# Altium PCB HW_PROCESSOR_BOARD_R1.PcbDoc (part 1 of 2) (continued)
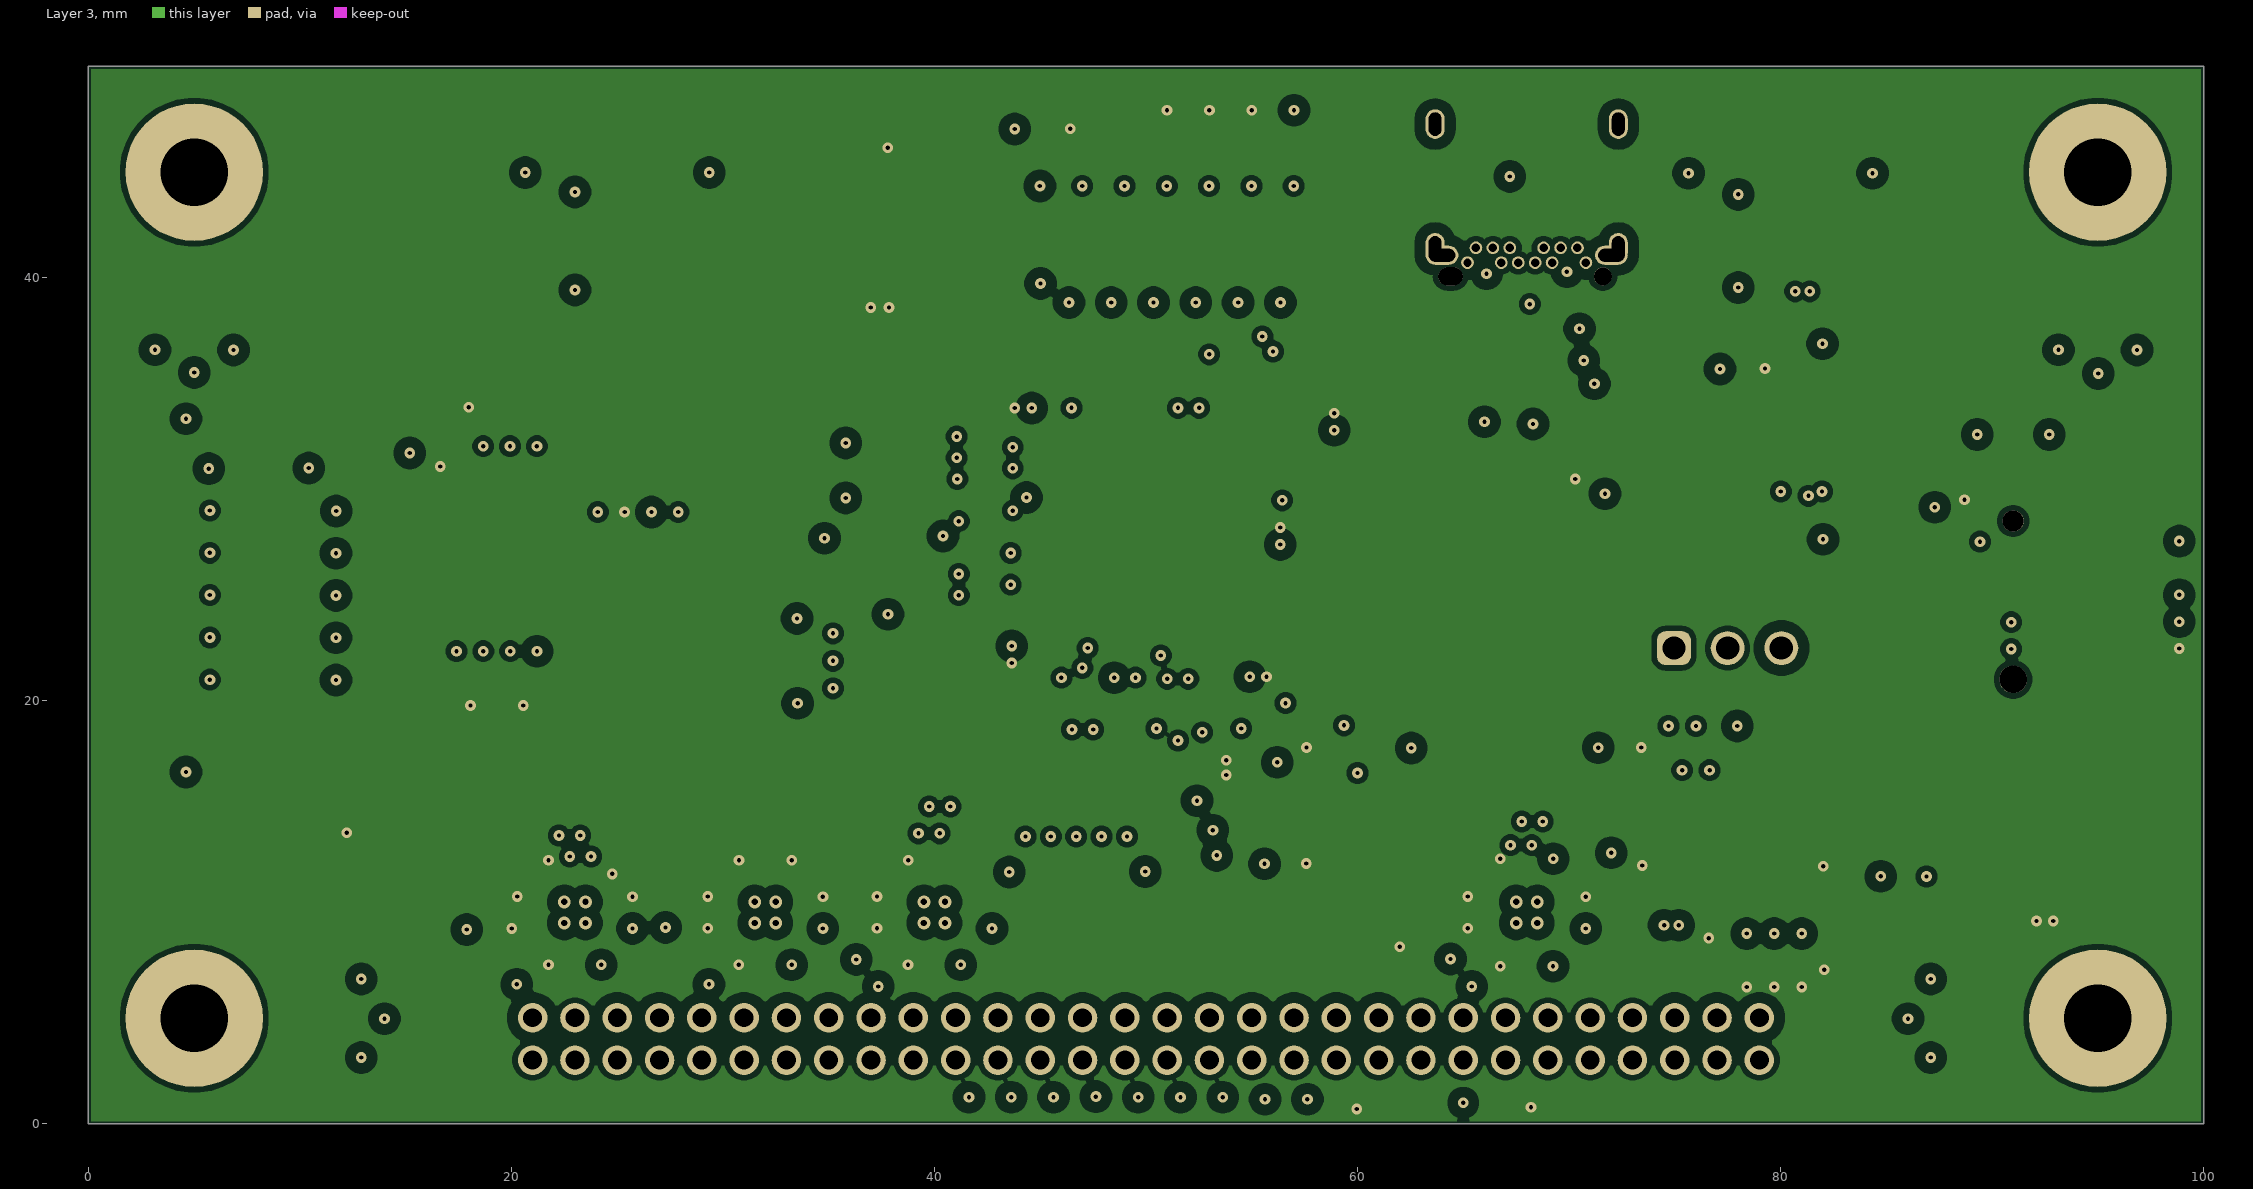
[diagram p4: Layer 3]
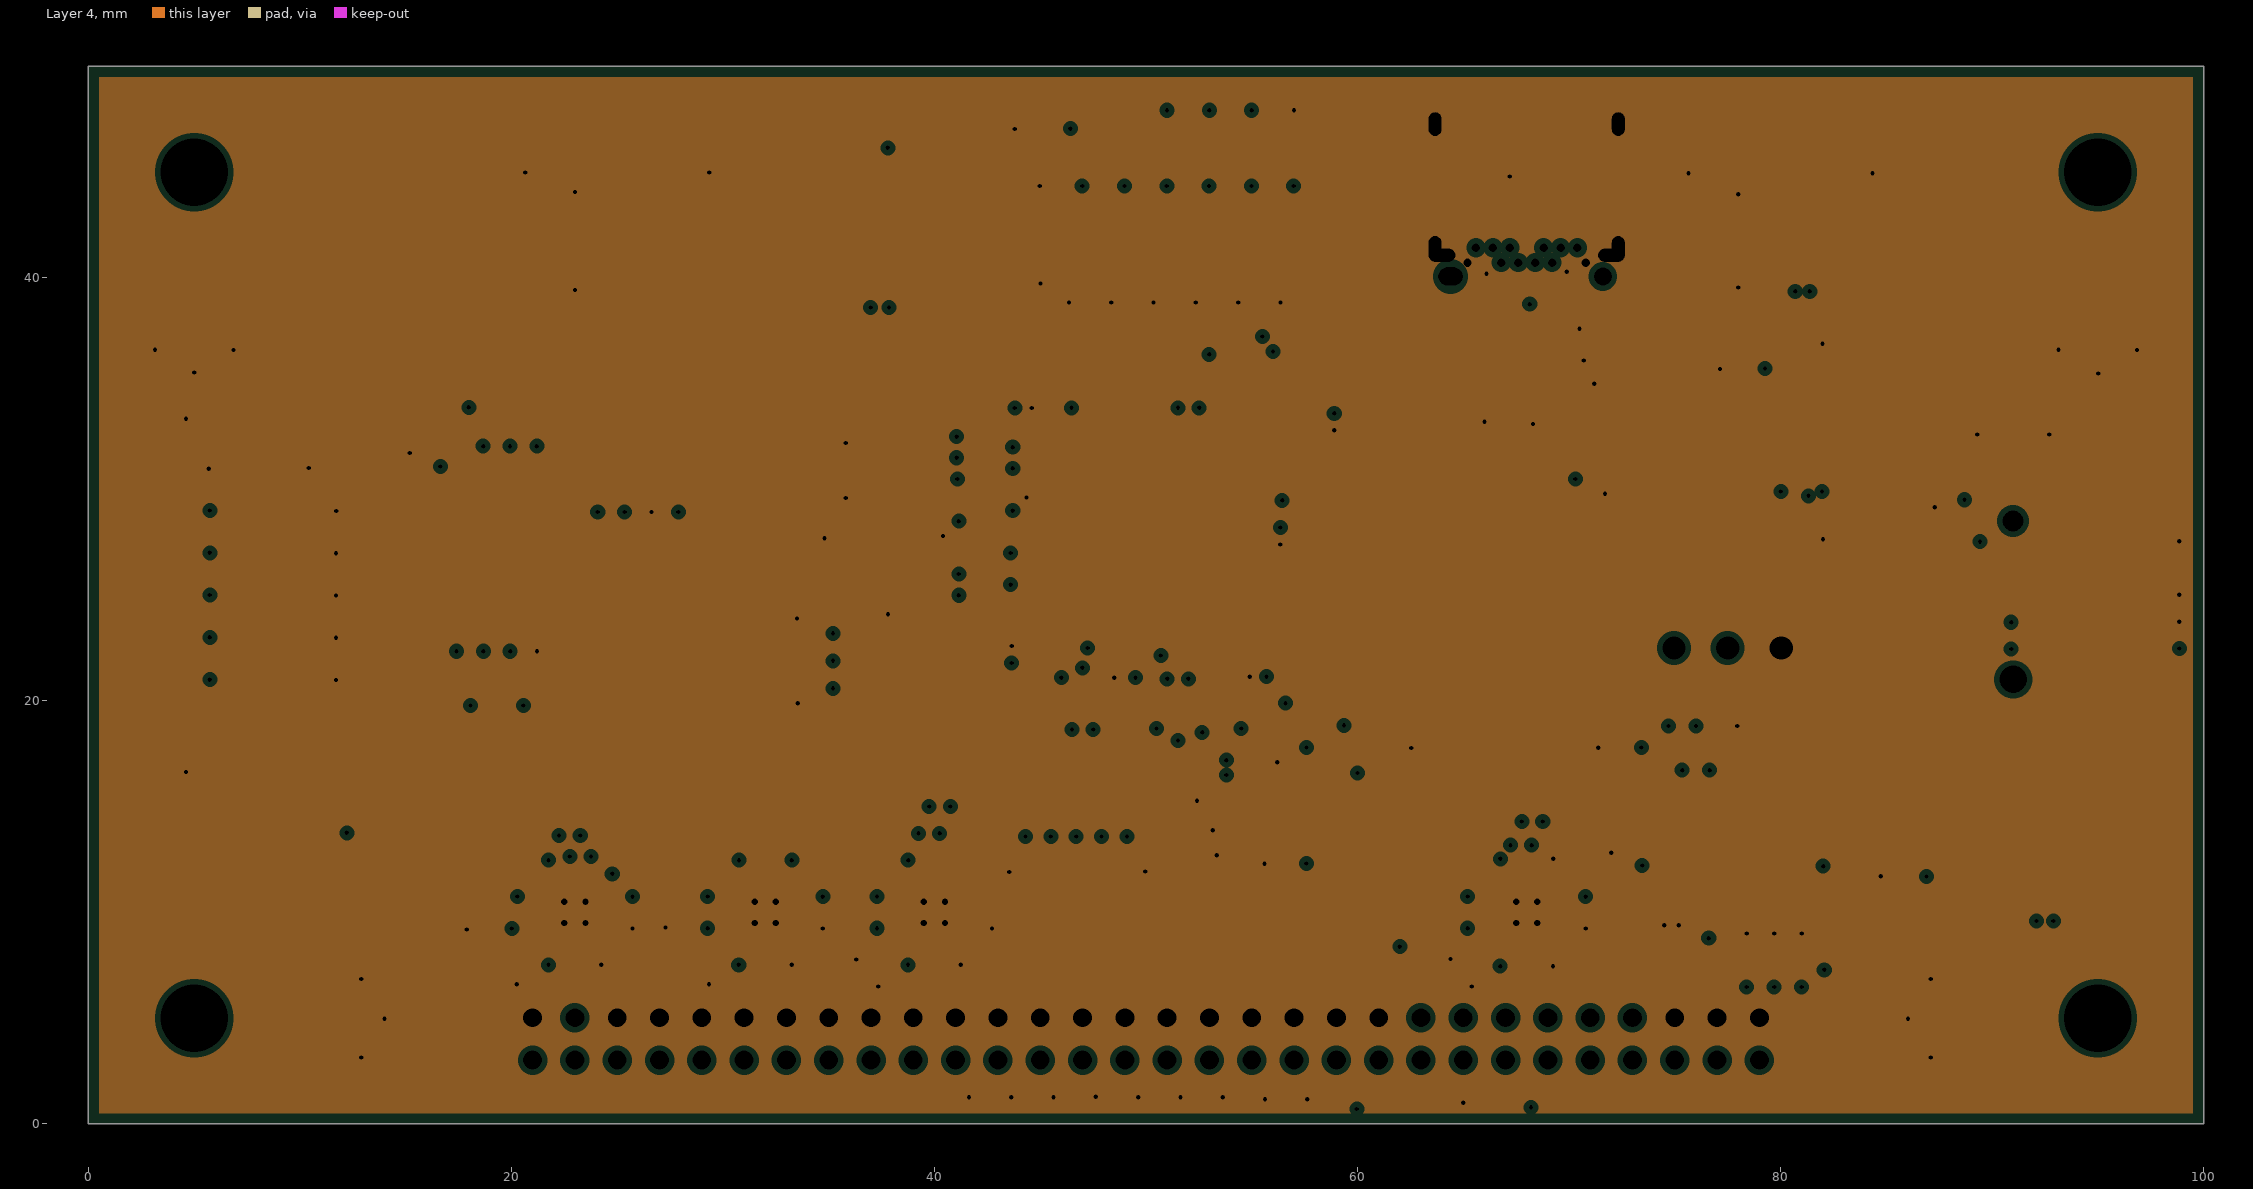
[diagram p5: Layer 4, clearances drawn from the general rule]
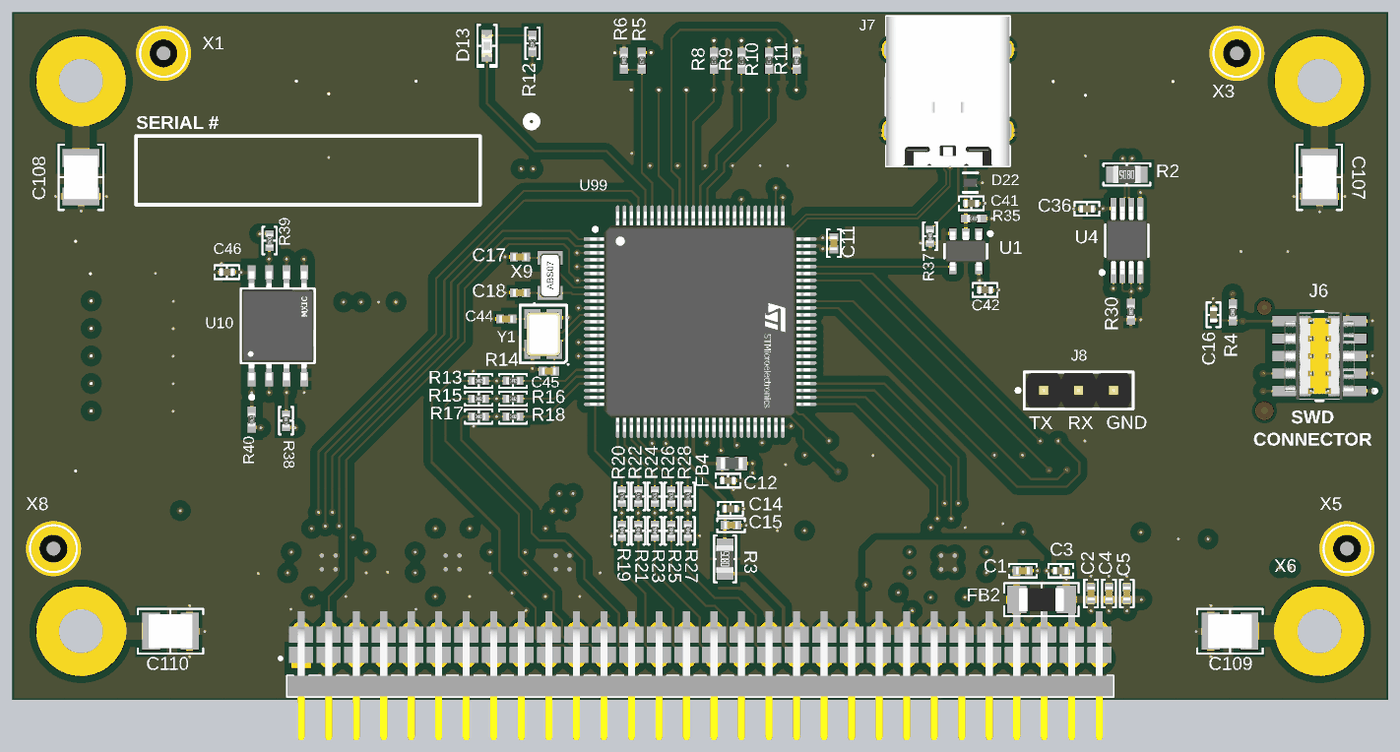
[diagram p7: 3D render of the assembled board from above, using the file's embedded part models]
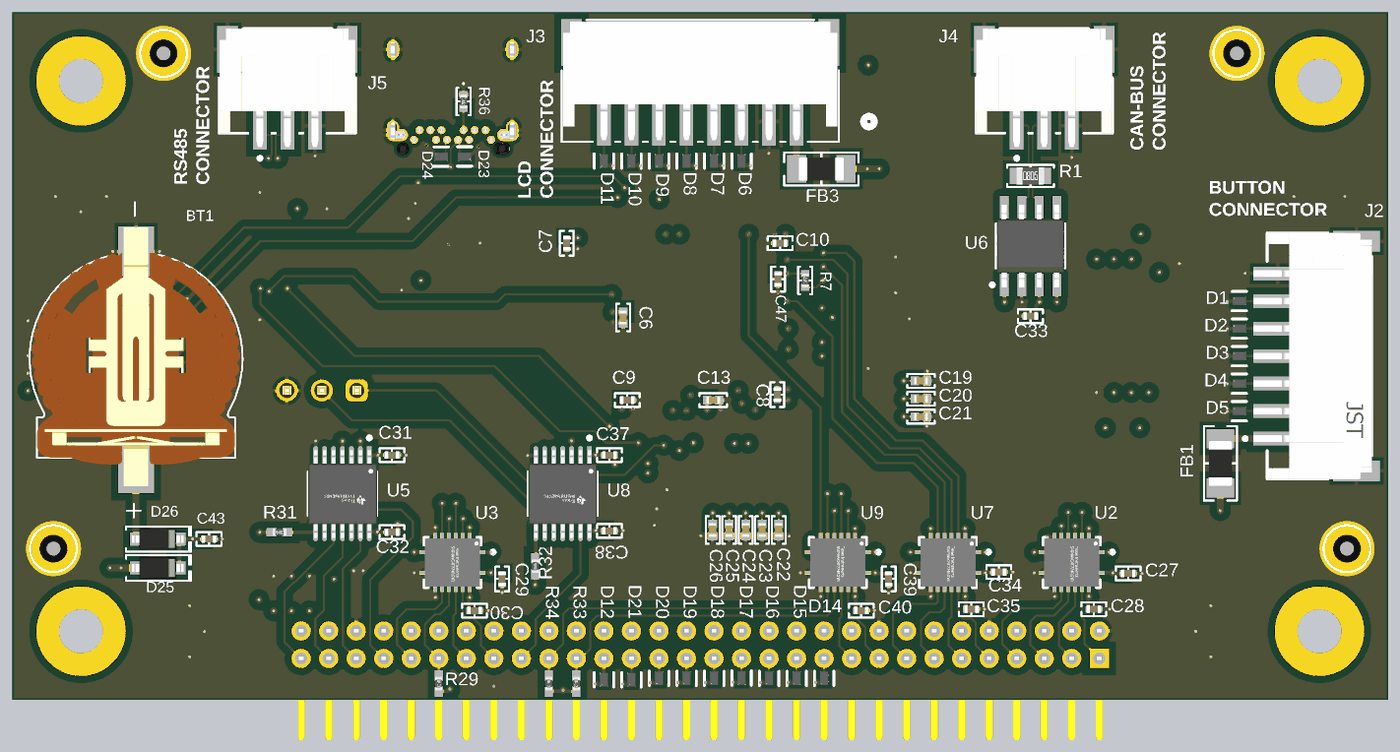
[diagram p8: 3D render of the assembled board from below, using the file's embedded part models]

## Layer stack, top to bottom
Top Solder: solder mask 0.0102, Solder Resist, Dk 3.5
Top Layer: signal copper 0.035
Dielectric 1: prepreg 0.092, PP-015, Dk 4.1
Layer 1: plane copper 0.035, net GND
Dielectric 2: core 0.7, PP-006, Dk 4.6
Layer 2: signal copper 0.035
Dielectric 3: prepreg 0.109, PP-016, Dk 4.16
Dielectric 4: prepreg 0.109, PP-016, Dk 4.16
Layer 3: signal copper 0.035
Dielectric 5: core 0.7, PP-006, Dk 4.6
Layer 4: plane copper 0.035, net GND
Dielectric 6: prepreg 0.092, PP-015, Dk 4.1
Bottom Layer: signal copper 0.035
Bottom Solder: solder mask 0.0102, Solder Resist, Dk 3.5

## Board outline
0,0 0,50 100,50 100,0

## Design rules (kind name [scope] priority, off if disabled: settings)
BoardOutlineClearance [All] p1: gap=0.127 ignorepadtopadclearanceinfootprint=FALSE
Clearance Clearance_1 [InNet('GND')] p1: gap=0.127 ignorepadtopadclearanceinfootprint=TRUE except(0.254: Arc-Fill Arc-Hole Track-Fill Track-Hole SMDPad-Fill SMDPad-Hole THPad-Fill THPad-Hole Via-Fill Via-Hole Fill-Fill Fill-Hole Poly-Hole Region-Hole Text-Hole; 0.508: Arc-Poly Track-Poly SMDPad-Poly THPad-Poly Via-Poly Fill-Poly Poly-Poly)
Clearance [All] p2: gap=0.127 ignorepadtopadclearanceinfootprint=TRUE except(0.254: Arc-Fill Arc-Poly Arc-Hole Track-Fill Track-Poly Track-Hole SMDPad-Fill SMDPad-Poly SMDPad-Hole THPad-Fill THPad-Poly THPad-Hole Via-Fill Via-Poly Via-Hole Fill-Fill Fill-Poly Fill-Hole Poly-Poly Poly-Hole Region-Hole Text-Hole)
DiffPairsRouting [All] p1: maxlimit=0.254 minlimit=0.152 mostfreqgap=0.254 toplayer_maxgap=0.152 toplayer_prefgap=0.152 toplayer_minwidth=0.127 toplayer_maxwidth=0.127 toplayer_prefwidth=0.127 bottomlayer_maxgap=0.152 bottomlayer_prefgap=0.152 bottomlayer_minwidth=0.127 bottomlayer_maxwidth=0.127 bottomlayer_prefwidth=0.127 impedanceprofiledriven=TRUE impedanceprofileid={F59521B5-8CEC-4007-98E8-7CC2246E4E1E} impedanceprofilevalue=120.000000 maxuncoupledlength=12.7
HoleSize [All] p1: absolutevalues=TRUE maxlimit=7.62 minlimit=0.025 maxpercent=80.000 minpercent=20.000
HoleToHoleClearance HoleToHoleClearance_typec [WithinRoom('under_typec')] p1: gap=0 allowstackedmicrovias=TRUE
HoleToHoleClearance HoleToHoleClearance_1 [All] p2: gap=0.254 allowstackedmicrovias=TRUE
MatchedLengths [InNetClass('QSPI')] p1: tolerance=0.635 checknetsindiffpair=FALSE checkdiffpairvsdiffpair=TRUE checkxsignals=TRUE checkothers=TRUE
MinimumAnnularRing [All] p1: minimumring=0.099
MinimumSolderMaskSliver MinimumSolderMaskSliver_typec [WithinRoom('under_typec')] p1: minsoldermaskwidth=0
MinimumSolderMaskSliver [All] p2: minsoldermaskwidth=0.051
NetAntennae [All] p1: netantennaetolerance=1.016
PlaneClearance [All] p1: clearance=0.254
PlaneConnect PlaneConnect_typec [WithinRoom('under_typec')] p1: planeconnectstyle=Direct reliefexpansion=0.508 reliefentries=4 reliefconductorwidth=0.254 reliefairgap=0.254
PlaneConnect [All] p2: pad.planeconnectstyle=Relief pad.reliefexpansion=0.152 pad.reliefentries=4 pad.reliefconductorwidth=0.254 pad.reliefairgap=0.152 via.planeconnectstyle=Direct via.reliefexpansion=0.152 via.reliefentries=4 via.reliefconductorwidth=0.508 via.reliefairgap=0.152
PolygonConnect [All] p1: thpad.connectstyle=Relief thpad.reliefconductorwidth=0.254 thpad.reliefentries=4 thpad.polygonreliefangle="90 Angle" thpad.airgapwidth=0.254 smdpad.connectstyle=Relief smdpad.reliefconductorwidth=0.254 smdpad.reliefentries=4 smdpad.polygonreliefangle="90 Angle" smdpad.airgapwidth=0.254 via.connectstyle=Direct via.reliefconductorwidth=0.254 via.reliefentries=4 via.polygonreliefangle="90 Angle" via.airgapwidth=0.254
RoomDefinition under_typec [False vs False] p1: confinementstyle=ConfineIn formatcopy=TRUE lockcomponents=FALSE outline 62.916,42.342 72.949,42.342 72.949,38.887 62.916,38.887
RoutingVias [All] p1: holewidth=0.203 width=0.508 viastyle="Through Hole" minholewidth=0.203 minwidth=0.508 maxholewidth=0.305 maxwidth=0.61
SilkToSilkClearance [All] p1: silktosilkclearance=0.102
SilkToSolderMaskClearance [IsPad] p1: minsilkscreentomaskgap=0.102 clearancetoexposedcopper=TRUE
SolderMaskExpansion SolderMaskExpansion_via [IsVia] p1: expansion=0.102 istentingtop=TRUE
SolderMaskExpansion [All] p2: expansion=0.051 istentingtop=FALSE
SupplyNets "Schematic Supply Nets" [InNet('VBUS')] p1: voltage=0.000
SupplyNets "Schematic Supply Nets_2" [InNet('GND')] p2: voltage=0.000
SupplyNets "Schematic Supply Nets_1" [InNet('+3V3')] p3: voltage=0.000
UnRoutedNet [All] p1: checkbadconnections=TRUE
Width [All] p1: maxlimit=1.27 minlimit=0.152 preferedwidth=0.254 toplayer_prefwidth=0.152 bottomlayer_prefwidth=0.152 impedanceprofiledriven=TRUE impedanceprofileid={41A32743-C936-4199-A177-B72C1002F5EB} impedanceprofilevalue=50.000000 minimp=50.000000 maximp=50.000000 favimp=50.000000
20 further rules are at their usual default settings.

## Classes and differential pairs
net class QSPI: QSPI_CLK QSPI_D0 QSPI_D1 QSPI_D2 QSPI_D3
component class 03_CONNECTOR: C1 C2 C3 C4 C5 C41 C42 C107 C108 C109 C110 D1 D2 D3 D4 D5 D6 D7 D8 D9 D10 D11 D22 D23 D24 FB1 FB2 FB3 J1 J2 J3 J4 J5 J7 J8 R1 R2 R35 R36 R37 U1 X1 X2 X3 X4 X5 X6 X7 X8
component class 05_BUFFERS: C27 C28 C29 C30 C31 C32 C33 C34 C35 C36 C37 C38 C39 C40 C46 R29 R30 R31 R32 R33 R34 R38 R39 R40 U2 U3 U4 U5 U6 U7 U8 U9 U10
component class 04_uC: BT1 C6 C7 C8 C9 C10 C11 C12 C13 C14 C15 C16 C17 C18 C19 C20 C21 C22 C23 C24 C25 C26 C43 C44 C45 C47 D12 D13 D14 D15 D16 D17 D18 D19 D20 D21 D25 D26 FB4 J6 R3 R4 R5 R6 R7 R8 R9 R10 R11 R12 R13 R14 R15 R16 R17 R18 R19 R20 R21 R22 R23 R24 R25 R26 R27 R28 U99 X9 Y1
differential pair USB: +USB_P -USB_N
differential pair RS485: +RS485_P -RS485_N
differential pair CAN: +CAN_P -CAN_N

## Components (designator, comment, footprint, x,y, rotation, side; value= is the part's Value field where it differs from the comment)
BT1 "1056" BAT_1056 91,25 r90 bottom locked
C1 "1 µF" "CAP 0402_1005" 73.44,9.4 r180 top
C2 "1 µF" "CAP 0402_1005" 78.4,7.74 r270 top
C3 "0.1 µF" "MURATA GRM155 0402_1005" 76.2,9.4 r0 top
C4 "10000 pF" "CAP 0402_1005" 79.7,7.74 r270 top
C5 "1000 pF" "CAP 0402_1005" 81,7.74 r270 top
C6 "1 µF" "CAP 0402_1005" 55.6,27.8 r90 bottom
C7 "0.1 µF" "MURATA GRM155 0402_1005" 59.7,33.2 r90 bottom
C8 "0.1 µF" "MURATA GRM155 0402_1005" 44.4,22.2 r270 bottom
C9 "0.1 µF" "MURATA GRM155 0402_1005" 55.3,21.8 r0 bottom
C10 "0.1 µF" "MURATA GRM155 0402_1005" 44.2,33.2 r180 bottom
C11 "10000 pF" "CAP 0402_1005" 59.7,33.2 r90 top
C12 "0.1 µF" "MURATA GRM155 0402_1005" 52.024,15.95 r180 top
C13 "10000 pF" "CAP 0402_1005" 49.06,21.8 r0 bottom
C14 "0.1 µF" "MURATA GRM155 0402_1005" 52.2,13.9 r180 top
C15 "10000 pF" "CAP 0402_1005" 52.24,12.7 r180 top
C16 "0.1 µF" "MURATA GRM155 0402_1005" 87.3,28 r270 top
C17 "15 pF" "CAP 0402_1005" 36.9,32.2 r180 top
C18 "15 pF" "CAP 0402_1005" 36.9,29.6 r180 top
C19 "1000 pF" "CAP 0402_1005" 33.96,23.2 r0 bottom
C20 "1000 pF" "CAP 0402_1005" 33.96,21.9 r0 bottom
C21 "1000 pF" "CAP 0402_1005" 33.96,20.6 r0 bottom
C22 "1000 pF" "CAP 0402_1005" 44.3,12.36 r90 bottom
C23 "1000 pF" "CAP 0402_1005" 45.5,12.36 r90 bottom
C24 "1000 pF" "CAP 0402_1005" 46.7,12.36 r90 bottom
C25 "1000 pF" "CAP 0402_1005" 47.9,12.36 r90 bottom
C26 "1000 pF" "CAP 0402_1005" 49.1,12.36 r90 bottom
C27 "0.1 µF" "MURATA GRM155 0402_1005" 18.9,9.2 r0 bottom
C28 "0.1 µF" "MURATA GRM155 0402_1005" 21.4,6.6 r0 bottom
C29 "0.1 µF" "MURATA GRM155 0402_1005" 64.4,8.8 r90 bottom
C30 "0.1 µF" "MURATA GRM155 0402_1005" 66.4,6.5 r0 bottom
C31 "0.1 µF" "MURATA GRM155 0402_1005" 72.4,17.8 r0 bottom
C32 "0.1 µF" "MURATA GRM155 0402_1005" 72.4,12.2 r0 bottom
C33 "0.1 µF" "MURATA GRM155 0402_1005" 26,27.9 r180 bottom
C34 "0.1 µF" "MURATA GRM155 0402_1005" 28.3,9.3 r0 bottom
C35 "0.1 µF" "MURATA GRM155 0402_1005" 30.3,6.6 r0 bottom
C36 "0.1 µF" "MURATA GRM155 0402_1005" 78.1,35.7 r0 top
C37 "0.1 µF" "MURATA GRM155 0402_1005" 56.6,17.8 r0 bottom
C38 "0.1 µF" "MURATA GRM155 0402_1005" 56.6,12.3 r0 bottom
C39 "0.1 µF" "MURATA GRM155 0402_1005" 36.3,8.8 r90 bottom
C40 "0.1 µF" "MURATA GRM155 0402_1005" 38.3,6.5 r0 bottom
C41 "0.1 µF" "MURATA GRM155 0402_1005" 69.7,36.1 r180 top
C42 "0.1 µF" "MURATA GRM155 0402_1005" 70.7,29.8 r180 top
C43 "0.1 µF" "MURATA GRM155 0402_1005" 85.7,11.7 r0 bottom
C44 "15 pF" "CAP 0402_1005" 35.9,27.7 r180 top
C45 "15 pF" "CAP 0402_1005" 39,23.9 r180 top
C46 "0.1 µF" "MURATA GRM155 0402_1005" 15.6,31.1 r0 top
C47 "0.1 µF" "MURATA GRM155 0402_1005" 44.348,30.588 r90 bottom
C107 "0.033 µF" "CAP 1210_3225 - 1MM" 95,38 r270 top
C108 "0.033 µF" "CAP 1210_3225 - 1MM" 5,38 r270 top
C109 "0.033 µF" "CAP 1210_3225 - 1MM" 88.5,5 r180 top
C110 "0.033 µF" "CAP 1210_3225 - 1MM" 11.5,5 r0 top
D1 "RF2945-000" FP-SESD0402-MFG 10.825,29 r180 bottom value=0.1pF
D2 "RF2945-000" FP-SESD0402-MFG 10.825,27 r180 bottom value=0.1pF
D3 "RF2945-000" FP-SESD0402-MFG 10.825,25 r180 bottom value=0.1pF
D4 "RF2945-000" FP-SESD0402-MFG 10.825,23 r180 bottom value=0.1pF
D5 "RF2945-000" FP-SESD0402-MFG 10.825,21 r180 bottom value=0.1pF
D6 "RF2945-000" FP-SESD0402-MFG 47,39.175 r90 bottom value=0.1pF
D7 "RF2945-000" FP-SESD0402-MFG 49,39.175 r90 bottom value=0.1pF
D8 "RF2945-000" FP-SESD0402-MFG 51,39.175 r90 bottom value=0.1pF
D9 "RF2945-000" FP-SESD0402-MFG 53,39.175 r90 bottom value=0.1pF
D10 "RF2945-000" FP-SESD0402-MFG 55,39.175 r90 bottom value=0.1pF
D11 "RF2945-000" FP-SESD0402-MFG 57,39.175 r90 bottom value=0.1pF
D12 "RF2945-000" FP-SESD0402-MFG 57,1.475 r90 bottom value=0.1pF
D13 "Green" "LED 0603_1608 GREEN" 34.5,47.55 r270 top
D14 "RF2945-000" FP-SESD0402-MFG 41,1.575 r90 bottom value=0.1pF
D15 "RF2945-000" FP-SESD0402-MFG 43,1.575 r90 bottom value=0.1pF
D16 "RF2945-000" FP-SESD0402-MFG 45,1.575 r90 bottom value=0.1pF
D17 "RF2945-000" FP-SESD0402-MFG 47,1.6 r90 bottom value=0.1pF
D18 "RF2945-000" FP-SESD0402-MFG 49,1.575 r90 bottom value=0.1pF
D19 "RF2945-000" FP-SESD0402-MFG 51,1.575 r90 bottom value=0.1pF
D20 "RF2945-000" FP-SESD0402-MFG 53,1.575 r90 bottom value=0.1pF
D21 "RF2945-000" FP-SESD0402-MFG 55,1.475 r90 bottom value=0.1pF
D22 "RF2945-000" FP-SESD0402-MFG 69.625,37.6 r180 top value=0.1pF
D23 "RF2945-000" FP-SESD0402-MFG 67.125,39.5 r0 bottom value=0.1pF
D24 "RF2945-000" FP-SESD0402-MFG 68.825,39.5 r180 bottom value=0.1pF
D25 "MBR0520LT1G" SOD-123 89.425,9.6 r180 bottom
D26 "MBR0520LT1G" SOD-123 89.425,11.7 r180 bottom
FB1 "1 kOhms @ 100 MHz" "FER 1206_3216" 12.2,17.2 r270 bottom
FB2 "1 kOhms @ 100 MHz" "FER 1206_3216" 74.8,7.3 r0 top
FB3 "1 kOhms @ 100 MHz" "FER 1206_3216" 41.2,38.6 r0 bottom
FB4 "100 Ohms @ 100 MHz" "FER 0603_1608" 52.3,17.2 r0 top
J1 "TMM-130-01-X-D-RA" SAMTEC_TMM-130-01-X-D-RA 50,1 r0 top locked
J2 "S7B-PH-SM4-TB(LF)(SN)" FP-S7B-PH-SM4-TB_LF_SN-MFG 5,25 r270 bottom locked
J3 "S8B-PH-SM4-TB" CONN_S8B-PH-SM4-TB_JST 50,45 r0 bottom
J4 "S3B-PH-SM4-TB(LF)(SN)" FP-S3B-PH-SM4-TB_LF_SN-MFG 25,45 r180 bottom
J5 "S3B-PH-SM4-TB(LF)(SN)" FP-S3B-PH-SM4-TB_LF_SN-MFG 80,45 r180 bottom locked
J6 "FTSH-105-01-F-DV-K-P-TR" Samtec_0_MFG 95,25 r90 top
J7 "UJ31-CH-31-SMT-TR" "CUI UJ31-CH-31-SMT-TR" 68,44.25 r180 top locked
J8 "61300311121" "WURTH WE-PHD 61300311121" 77.5,22.5 r0 top
R1 "120 Ohms" "YAGEO RES 0805_2012" 26,38.1 r180 bottom
R2 "120 Ohms" "YAGEO RES 0805_2012" 81,38.2 r180 top
R3 "120 Ohms" "YAGEO RES 0805_2012" 51.8,10.25 r90 top
R4 "10 kOhms" "RES 0402_1005" 88.7,28.175 r270 top
R5 "10 kOhms" "RES 0402_1005" 45.756,46.475 r270 top
R6 "10 kOhms" "RES 0402_1005" 44.456,46.475 r90 top
R7 "470 kOhms" "YAGEO RES 0402_1005" 42.375,30.5 r90 bottom
R8 "10 kOhms" "RES 0402_1005" 51,46.475 r270 top
R9 "10 kOhms" "RES 0402_1005" 53,46.475 r270 top
R10 "10 kOhms" "RES 0402_1005" 55,46.475 r270 top
R11 "10 kOhms" "RES 0402_1005" 57,46.475 r90 top
R12 "2.2 kOhms" "RES 0402_1005" 37.8,47.725 r270 top
R13 "33 Ohms" "YAGEO RES 0402_1005" 33.9,23.2 r0 top
R14 "33 Ohms" "YAGEO RES 0402_1005" 36.4,23.2 r0 top
R15 "33 Ohms" "YAGEO RES 0402_1005" 33.9,21.9 r0 top
R16 "33 Ohms" "YAGEO RES 0402_1005" 36.4,21.9 r0 top
R17 "33 Ohms" "YAGEO RES 0402_1005" 33.9,20.6 r0 top
R18 "33 Ohms" "YAGEO RES 0402_1005" 36.4,20.6 r0 top
R19 "33 Ohms" "YAGEO RES 0402_1005" 44.3,12.3 r90 top
R20 "33 Ohms" "YAGEO RES 0402_1005" 44.3,14.8 r90 top
R21 "33 Ohms" "YAGEO RES 0402_1005" 45.5,12.3 r90 top
R22 "33 Ohms" "YAGEO RES 0402_1005" 45.5,14.8 r90 top
R23 "33 Ohms" "YAGEO RES 0402_1005" 46.7,12.3 r90 top
R24 "33 Ohms" "YAGEO RES 0402_1005" 46.7,14.8 r90 top
R25 "33 Ohms" "YAGEO RES 0402_1005" 47.9,12.3 r90 top
R26 "33 Ohms" "YAGEO RES 0402_1005" 47.9,14.8 r90 top
R27 "33 Ohms" "YAGEO RES 0402_1005" 49.1,12.3 r90 top
R28 "33 Ohms" "YAGEO RES 0402_1005" 49.1,14.8 r90 top
R29 "10 kOhms" "RES 0402_1005" 69,1.194 r270 bottom
R30 "10 kOhms" "RES 0402_1005" 81.3,28.225 r90 top
R31 "10 kOhms" "RES 0402_1005" 80.575,12.2 r180 bottom
R32 "10 kOhms" "RES 0402_1005" 62,9.725 r90 bottom
R33 "10 kOhms" "RES 0402_1005" 59.004,1.194 r270 bottom
R34 "10 kOhms" "RES 0402_1005" 61,1.194 r270 bottom
R35 "10 kOhms" "RES 0402_1005" 69.875,35 r0 top
R36 "5.1 kOhms" "YAGEO RES 0402_1005" 67.2,43.5 r270 bottom
R37 "5.1 kOhms" "YAGEO RES 0402_1005" 66.7,33.7 r90 top
R38 "100 kOhms" "YAGEO RES 0402_1005" 19.9,20.3 r270 top
R39 "100 kOhms" "YAGEO RES 0402_1005" 18.7,33.4 r90 top
R40 "10 kOhms" "RES 0402_1005" 17.4,20.375 r90 top
U1 "SN74LVC1G17DBVR" DBV0005A_L 69.3,32.625 r270 top
U2 "SN74AVC4T774RGYR" FP-RGY0016A-MFG 23,10 r270 bottom